# Altium PCB fNIRS_PCB.PcbDoc (part 3 of 3) (continued)
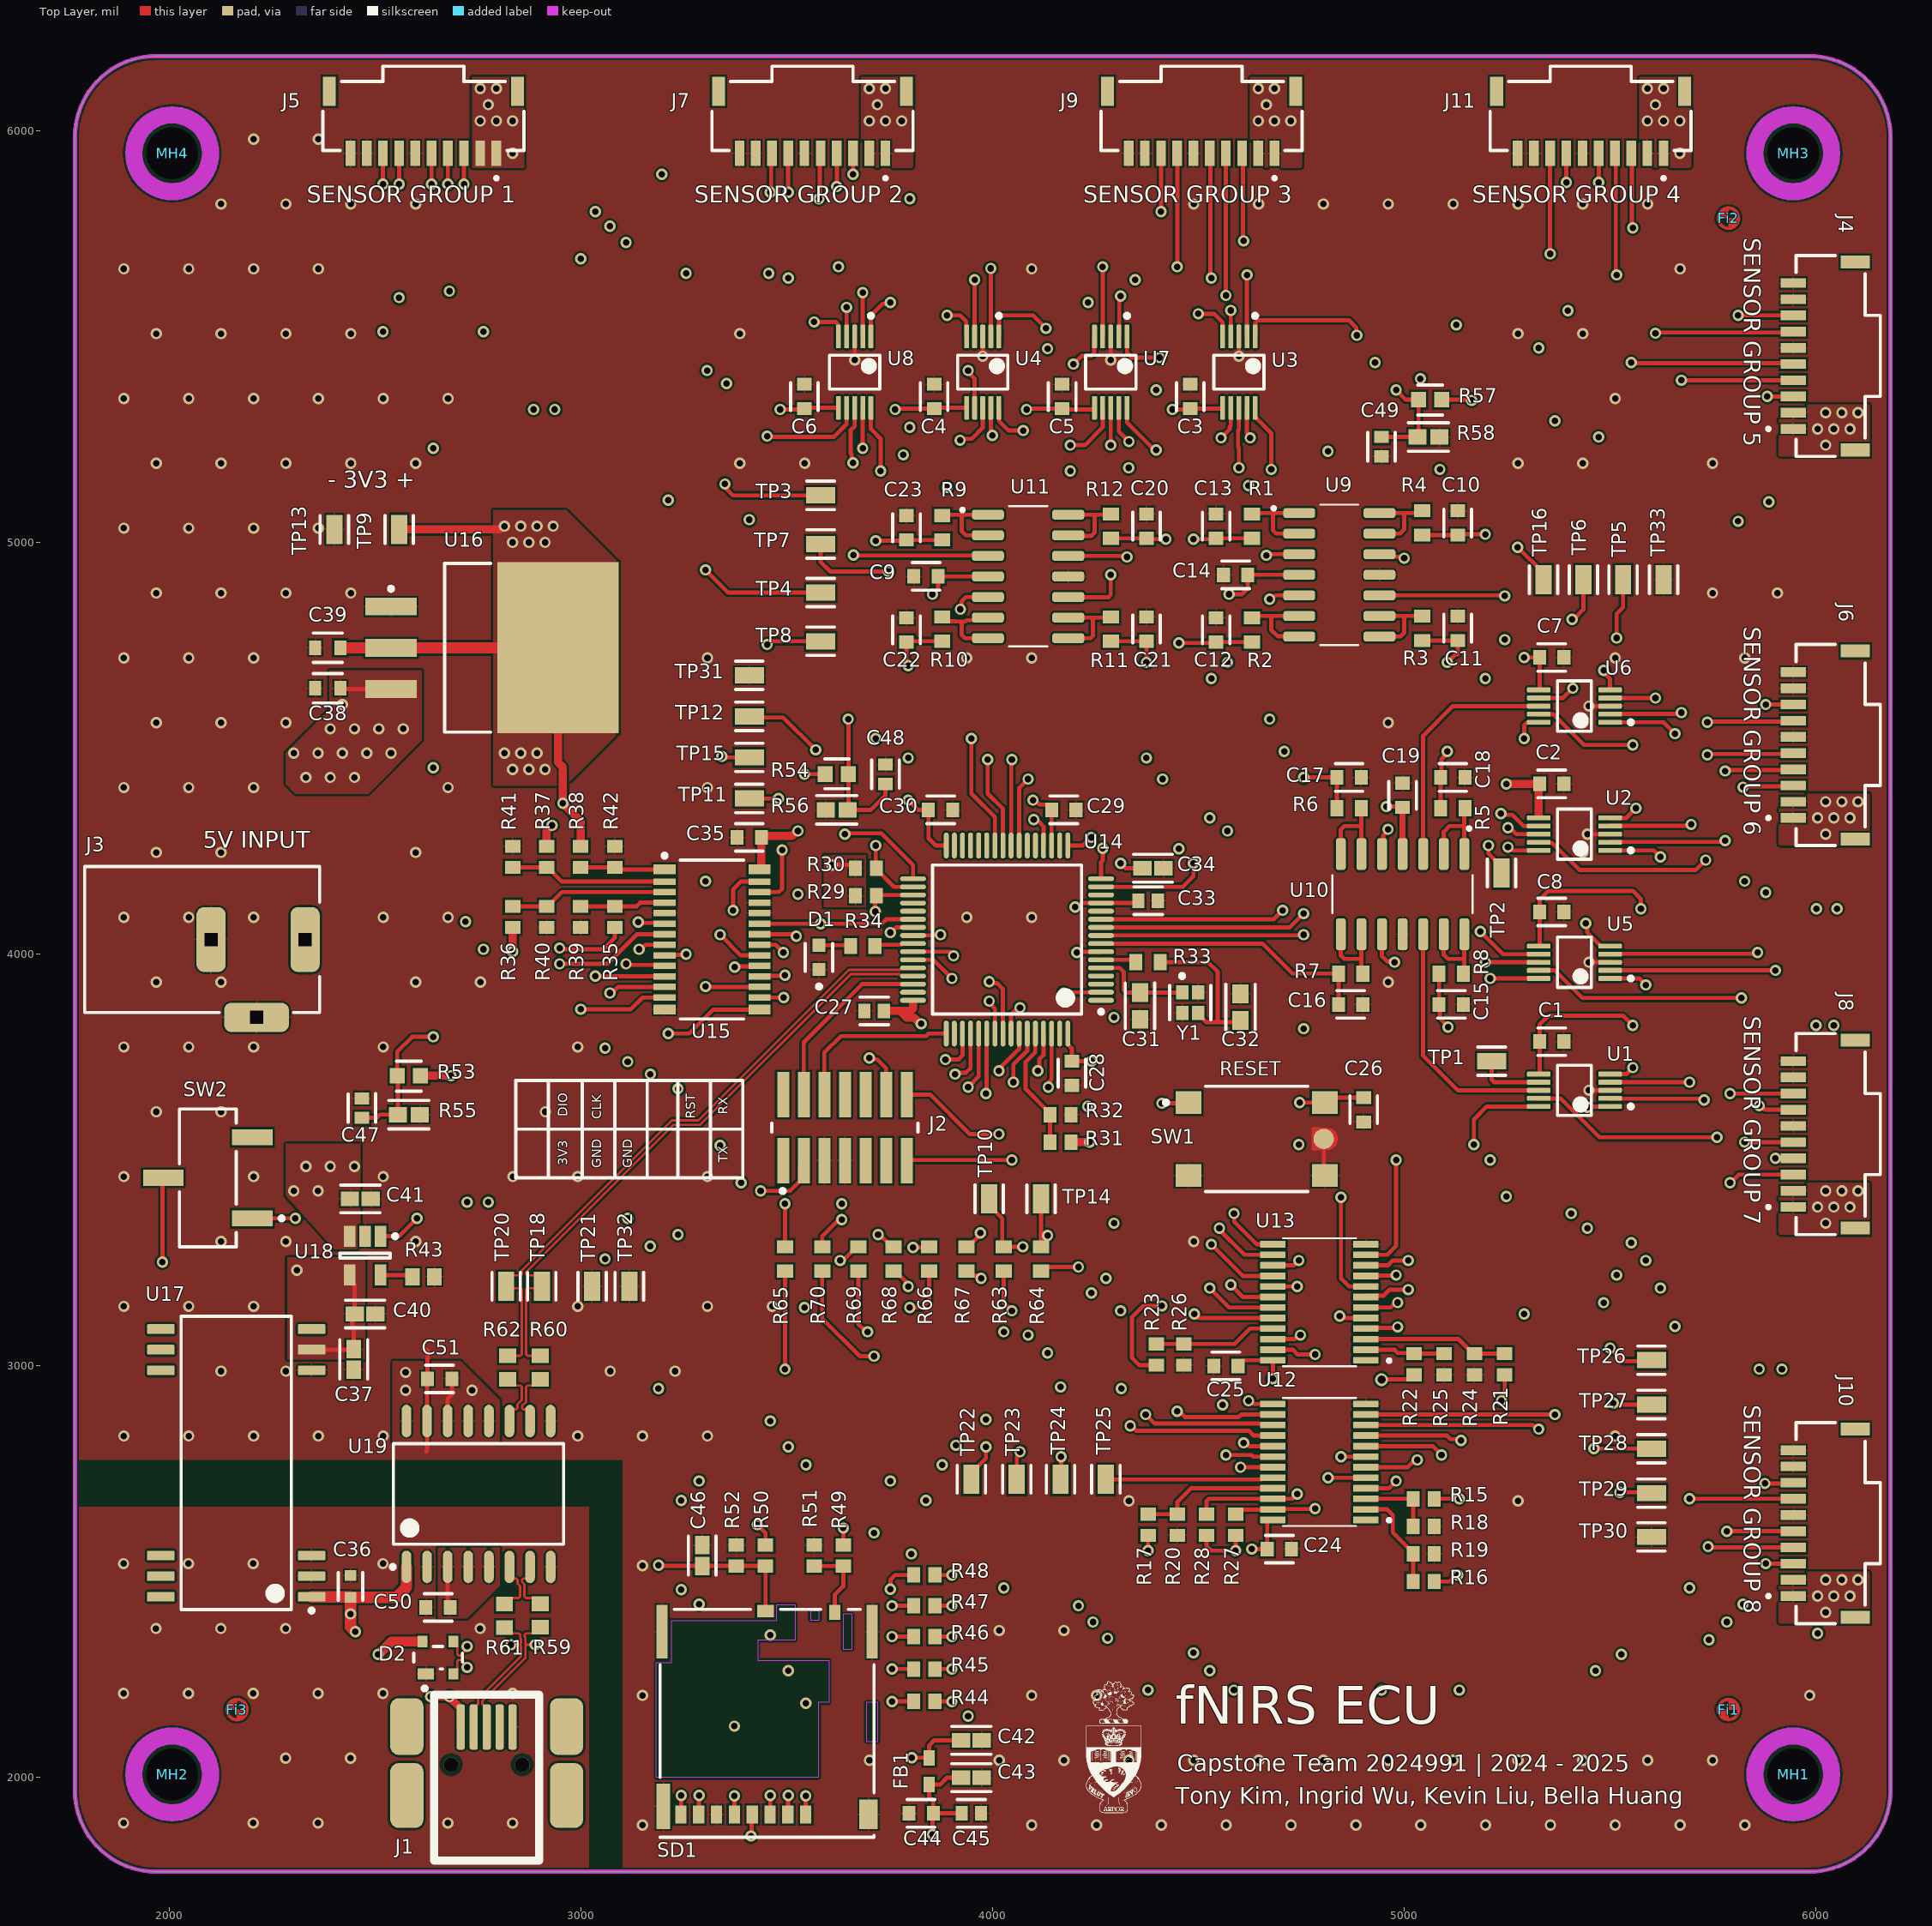
[diagram p0: Top Layer view]
## Nets (pads, with @x,y where several pads share a name; then routed paths per layer and width w, separated by ;. In a path a pad name is that pad's centre, name@x,y a point inside that pad or via, vN(x,y) a via of type N, cw(c..) or ccw(c..) an arc to the next point about the centre after c; other vN are vias at no path point) (continued)
NetR9_1: R9.1 U11.1 U11.2 | length 220.2
  Top Layer w10: R9.1@3877.95,5064.96 3880.31,5067.32 3925.2,5067.32 ; U11.2@3989.17,5017.32 3935.43,5017.32 3925.2,5027.56 3925.2,5067.32 ; U11.1@3989.17,5067.32 3925.2,5067.32
NetR10_1: R10.1 U11.6 U11.7 | length 219.4
  Top Layer w10: R10.1@3877.95,4818.9 3888.7,4808.15 3909.65,4808.15 3909.8,4807.99 3925.2,4807.99 ; U11.7@3989.17,4767.32 3933.46,4767.32 3925.2,4775.59 3925.2,4807.99 ; U11.6@3989.17,4817.32 3982.92,4811.07 3937.41,4811.07 3934.33,4807.99 3925.2,4807.99
NetR11_1: R11.1 U11.8 U11.9 | length 210.6
  Top Layer w10: U11.8@4184.06,4767.32 4238.24,4767.32 4244.09,4773.18 4244.09,4817.32 ; U11.9@4184.06,4817.32 4244.09,4817.32 ; R11.1@4287.4,4818.9 4285.83,4817.32 4244.09,4817.32
NetR12_1: R12.1 U11.13 U11.14 | length 215.6
  Top Layer w10: U11.13@4184.06,5017.32 4185.63,5015.75 4240.16,5015.75 4248.03,5023.62 4248.03,5067.32 ; U11.14@4184.06,5067.32 4248.03,5067.32 ; R12.1@4287.4,5068.9 4285.83,5067.32 4248.03,5067.32
NetR15_1: R15.1 R18.2 U12.3 | length 181.5
  Top Layer w10: U12.3@4907.09,2677.17 R15.1@5021.65,2677.17 R18.2@5021.65,2610.24
NetR16_1: R16.1 R19.2 U12.2 | length 252.9
  Top Layer w10: U12.2@4907.09,2651.57 4958.66,2651.57 4972.44,2637.8 4972.44,2595.47 5021.65,2546.26 R19.2@5021.65,2543.31 R16.1@5021.65,2476.38
NetR17_1: R17.1 R20.2 U12.21 | length 346.5
  Top Layer w10: R17.1@4377.95,2639.76 R20.2@4448.82,2639.76 4448.82,2669.29 4482.28,2702.76 U12.21@4681.1,2702.76
NetR21_1: R21.1 R24.2 U13.3 | length 351.7
  Top Layer w10: U13.3@4907.09,3064.96 5132.22,3064.96 5167.65,3029.53 R24.2@5170.6,3029.53 R21.1@5244.09,3029.53
NetR22_1: R22.1 R25.2 U13.2 | length 194.1
  Top Layer w10: U13.2@4907.09,3039.37 4976.38,3039.37 4984.25,3031.5 5021.65,3031.5 R22.1@5023.62,3029.53 R25.2@5097.11,3029.53
NetR23_1: R23.1 R26.2 U13.21 | length 299
  Top Layer w10: R23.1@4397.64,3053.15 R26.2@4464.57,3053.15 4588.58,3053.15 4625.98,3090.55 U13.21@4681.1,3090.55
NetR35_1: R35.1 R39.2 U15.4 | length 207.4
  Top Layer w10: R39.2@3000,4116.14 R35.1@3082.68,4116.14 3135.83,4116.14 3144.69,4125 U15.4@3203.74,4125
NetR36_1: R36.1 R40.2 U15.3 | length 383.4
  Top Layer w10: R36.1@2834.65,4116.14 R40.2@2917.32,4116.14 2920.28,4116.14 2954.72,4150.59 U15.3@3203.74,4150.59
NetR37_1: R37.1 R41.2 U15.2 | length 383.4
  Top Layer w10: R41.2@2834.65,4210.63 R37.1@2917.32,4210.63 2920.28,4210.63 2954.72,4176.18 U15.2@3203.74,4176.18
NetR38_1: R38.1 R42.2 U15.1 | length 205.8
  Top Layer w10: R38.1@3000,4210.63 R42.2@3082.68,4210.63 3087.6,4205.71 U15.1@3203.74,4205.71
NetR43_2: R43.2 U18.5 | length 79.4
  Top Layer w10: U18.5@2513.78,3220.47 2587.6,3220.47 R43.2@2591.54,3216.54
NetR49_1: R49.1 R51.2 SD1.10 | length 191.9
  Top Layer w10: R51.2@3566.93,2513.78 R49.1@3637.8,2513.78 3637.8,2464.57 3616.93,2443.7 SD1.10@3616.93,2401.38
NetSW2_1: SW2.1 U18.1 | length 506.1
  Top Layer w10: SW2.1@2202.76,3358.27 v1(2307.09,3358.27) ; U18.1@2513.78,3314.96 2559.06,3314.96 v1(2602.36,3358.27)
  Mid Layer 2 w10: v1(2307.09,3358.27) v1(2602.36,3358.27)
NRST: C26.1 J2.12 SW1.1 SW1.2 U14.7 | length 1912.5
  Top Layer w10: v1(3700.79,3748.03) 3704.15,3744.67 3719.9,3744.67 3741.65,3722.92 3741.65,3658.95 J2.12@3741.73,3658.86 ; v1(4204.72,4003.94) 4206.35,4005.56 4263.43,4005.56 U14.7@4263.78,4005.91 ; v1(4411.5,3637.8) 4474.31,3637.8 SW1.1@4476.18,3639.67 ; v1(4746.16,3639.67) SW1.2@4807.28,3639.67 4819.19,3651.57 C26.1@4901.57,3651.57
  Mid Layer 1 w10: v1(4204.72,4003.94) 4204.72,3656.6 v1(4231.27,3630.05)
  Mid Layer 2 w10: v1(3700.79,3748.03) 3700.79,3704.72 3773.7,3631.81 4229.52,3631.81 v1(4231.27,3630.05) ; v1@4228.35,3629.92 4228.48,3630.05 4399,3630.05 4406.74,3637.8 v1(4411.5,3637.8) 4412.43,3638.73 4745.23,3638.73 v1(4746.16,3639.67)
OSC_IN: C31.1 U14.5 Y1.1 | length 248.3
  Top Layer w10: U14.5@4263.78,3966.54 4309.06,3966.54 4318.9,3956.69 4318.9,3912.43 4324.76,3906.57 C31.1@4358.27,3906.57 4460.71,3906.57 Y1.1@4461.12,3906.99
OSC_OUT: R33.2 U14.6 | length 87.1
  Top Layer w10: U14.6@4263.78,3986.22 4342.52,3986.22 R33.2@4348.43,3980.32
PWM0: J5.03 U15.6 | length 2353.1
  Top Layer w10: v1(2716.54,5870.08) J5.03@2716.54,5944.88 ; v1(3139.68,4077.83) 3141.69,4075.83 3201.73,4075.83 U15.6@3203.74,4073.82
  Mid Layer 1 w10: v1(2716.54,5870.08) 2718.5,5868.11 2718.5,4080.71 v1(2720.47,4078.74)
  Mid Layer 2 w10: v1(2720.47,4078.74) 2720.93,4078.29 3139.23,4078.29 v1(3139.68,4077.83)
PWM1: J5.08 U15.7 | length 2661.6
  Top Layer w10: v1(2519.68,5870.08) J5.08@2519.68,5944.88 ; v1(2948.82,3976.38) 3064.43,3976.38 3136.28,4048.23 U15.7@3203.74,4048.23
  Mid Layer 1 w10: v1(2519.68,5511.81) v1(2519.68,5870.08) ; v1(2763.78,4011.81) v1(2763.78,5511.81)
  Mid Layer 2 w10: v1(2519.68,5511.81) v1(2763.78,5511.81) ; v1(2763.78,4011.81) 2799.21,3976.38 v1(2948.82,3976.38)
PWM2: J7.03 U15.8 | length 2487
  Top Layer w10: v1(3141.73,4011.81) 3146.48,4011.81 3157.31,4022.64 U15.8@3203.74,4022.64 ; v1(3661.42,5893.7) J7.03@3661.42,5944.88
  Mid Layer 1 w10: v1(3141.73,4011.81) 3169.29,4039.37 3169.29,5866.14 v1(3196.85,5893.7)
  Mid Layer 2 w10: v1(3196.85,5893.7) v1(3661.42,5893.7)
PWM3: J7.08 U15.9 | length 2202.3
  Top Layer w10: U15.9@3203.74,3997.05 3205.22,3998.52 3254.43,3998.52 v1(3255.91,4000) ; v1(3460.63,5850.39) 3462.6,5852.36 3462.6,5942.91 J7.08@3464.57,5944.88
  Mid Layer 1 w10: v1(3255.91,4000) v1(3255.91,5653.54) ; v1(3456.69,5653.54) 3458.66,5655.51 3458.66,5848.43 v1(3460.63,5850.39)
  Mid Layer 2 w10: v1(3255.91,5653.54) v1(3456.69,5653.54)
PWM4: J9.03 U15.10 | length 3563.5
  Top Layer w10: v1(3110.24,3976.38) 3112.7,3973.92 3201.28,3973.92 U15.10@3203.74,3971.46 ; J9.03@4606.3,5944.88 4608.27,5942.91 4608.27,5734.25 v1(4610.24,5732.28)
  Mid Layer 1 w10: v1(3110.24,3976.38) 3110.24,4065.41 3110.08,4065.57 3110.08,4892.82 3110.24,4892.98 v1(3110.24,5728.35)
  Mid Layer 2 w10: v1(3110.24,5728.35) 3113.6,5731.71 3124.3,5731.71 3124.87,5732.28 v1(4610.24,5732.28)
PWM5: J9.08 U15.11 | length 3540.8
  Top Layer w10: v1(3035.43,3946.77) 3035.89,3946.32 3203.29,3946.32 U15.11@3203.74,3945.87 ; v1(4409.45,5803.15) J9.08@4409.45,5944.88
  Mid Layer 1 w10: v1(3035.43,3946.77) v1(3035.43,5803.15)
  Mid Layer 2 w10: v1(3035.43,5803.15) v1(4409.45,5803.15)
PWM6: J11.03 U15.12 | length 4669.8
  Top Layer w10: v1(3070.87,3905.51) 3075.62,3905.51 3089.98,3919.87 3112.15,3919.87 3112.55,3920.28 U15.12@3203.74,3920.28 ; J11.03@5551.18,5944.88 5553.15,5942.91 5553.15,5765.75 v1(5555.12,5763.78)
  Mid Layer 1 w10: v1(3070.87,3905.51) v1(3070.87,5767.72)
  Mid Layer 2 w10: v1(3070.87,5767.72) 3072.83,5765.75 5553.15,5765.75 v1(5555.12,5763.78)
PWM7: J11.08 U15.13 | length 4641.7
  Top Layer w10: v1(3000,3866.14) 3122.05,3866.14 3150.59,3894.68 U15.13@3203.74,3894.68 ; v1(5354.33,5700.79) J11.08@5354.33,5944.88
  Mid Layer 1 w10: v1(3000,3866.14) v1(3000,5688.98)
  Mid Layer 2 w10: v1(3000,5688.98) 3397.64,5688.98 3409.45,5700.79 v1(5354.33,5700.79)
PWM8: J4.03 U15.15 | length 4536.2
  Top Layer w10: v1(3212.6,3807.09) 3263.78,3807.09 3321.85,3865.16 U15.15@3434.06,3865.16 ; v1(5881.89,5354.33) J4.03@5944.88,5354.33
  Mid Layer 1 w10: v1(3212.6,3807.09) v1(3212.6,5102.36) ; v1(5881.89,5354.33) 5883.86,5352.36 5883.86,5100.39 v1(5885.83,5098.43)
  Mid Layer 2 w10: v1(3212.6,5102.36) 3214.57,5100.39 5883.86,5100.39 v1(5885.83,5098.43)
PWM9: J4.08 U15.16 | length 4291.2
  Top Layer w10: U15.16@3434.06,3894.68 v1(3493.11,3894.68) ; v1(5811.02,5551.18) J4.08@5944.88,5551.18
  Mid Layer 1 w10: v1(3409.45,5055.12) 3409.45,3978.35 v1(3493.11,3894.68) ; v1(5811.02,5051.18) v1(5811.02,5551.18)
  Mid Layer 2 w10: v1(3409.45,5055.12) 3411.42,5053.15 5809.06,5053.15 v1(5811.02,5051.18)
PWM10: J6.03 U15.17 | length 3264.5
  Top Layer w10: v1(3303.15,3921.26) 3304.13,3920.28 U15.17@3434.06,3920.28 ; v1(5822.83,4405.51) 5824.8,4407.48 5942.91,4407.48 J6.03@5944.88,4409.45
  Mid Layer 1 w10: v1(3303.15,3921.26) v1(3303.15,4177.17) ; v1(5822.83,4405.51) 5824.8,4403.54 5824.8,4179.21 v1(5826.77,4177.24)
  Mid Layer 2 w10: v1(3303.15,4177.17) 3303.19,4177.2 5826.73,4177.2 v1(5826.77,4177.24)
PWM11: J6.08 U15.18 | length 3213.3
  Top Layer w10: U15.18@3434.06,3945.87 3435.53,3947.34 3494.59,3947.34 v1(3496.06,3948.82) ; v1(5877.95,4606.3) J6.08@5944.88,4606.3
  Mid Layer 1 w10: v1(3496.06,3948.82) 3448.82,3996.06 3448.82,4110.24 3484.25,4145.67 v1(3527.56,4145.67) ; v1(5877.95,4149.61) v1(5877.95,4606.3)
  Mid Layer 2 w10: v1(3527.56,4145.67) 3529.53,4147.64 5875.98,4147.64 v1(5877.95,4149.61)
PWM12: J8.03 U15.19 | length 3162.9
  Top Layer w10: v1(3374.02,3968.5) 3375.49,3969.98 3432.58,3969.98 U15.19@3434.06,3971.46 ; v1(5791.34,3444.88) 5792.67,3444.88 5812.35,3464.57 J8.03@5944.88,3464.57
  Mid Layer 1 w10: v1(3374.02,3968.5) 3374.02,3708.66 3389.76,3692.91 v1(3389.76,3444.88)
  Mid Layer 2 w10: v1(3389.76,3444.88) 3394.48,3444.88 3404.4,3454.8 5776.67,3454.8 5786.59,3444.88 v1(5791.34,3444.88)
PWM13: J8.08 U15.20 | length 3305
  Top Layer w10: v1(3338.58,4047.24) 3388.78,3997.05 U15.20@3434.06,3997.05 ; v1(5791.34,3661.42) J8.08@5944.88,3661.42
  Mid Layer 1 w10: v1(3338.58,3535.43) v1(3338.58,4047.24)
  Mid Layer 2 w10: v1(3338.58,3535.43) 3401.57,3598.43 5759.84,3598.43 5791.34,3629.92 v1(5791.34,3661.42)
PWM14: J10.03 R66.1 U15.21 | length 4089.6
  Top Layer w10: U15.21@3434.06,4022.64 3473.43,4022.64 v1(3492.13,4003.94) ; v1(3799.21,3141.73) 3829.01,3141.73 3846.46,3159.18 R66.1@3846.46,3230.31 ; v1(5877.95,2519.68) J10.03@5944.88,2519.68
  Mid Layer 1 w10: v1(3492.13,4003.94) 3552.13,3943.94 3552.13,3155.3 3543.31,3146.48 v1(3543.31,3141.73) ; v1(3799.21,3141.73) 3801.18,3139.76 3801.18,2545.28 v1(3803.15,2543.31)
  Mid Layer 2 w10: v1(3543.31,3141.73) v1(3799.21,3141.73) ; v1(3803.15,2543.31) 3803.33,2543.31 3824.9,2521.73 5875.91,2521.73 v1(5877.95,2519.68)
PWM15: J10.08 R70.1 U15.22 | length 4203.8
  Top Layer w10: U15.22@3434.06,4048.23 3518.7,4048.23 v1(3523.62,4043.31) ; R70.1@3586.61,3230.31 3586.61,3114.99 3677.98,3023.62 v1(3712.6,3023.62) ; v1(5875.98,2714.57) 5942.91,2714.57 J10.08@5944.88,2716.54
  Mid Layer 1 w10: v1(3523.62,4043.31) 3586.61,3980.31 3586.61,3110.24 3673.23,3023.62 v1(3712.6,3023.62) v1(3712.6,2594.49)
  Mid Layer 2 w10: v1(3712.6,2594.49) 5681.1,2594.49 5801.18,2714.57 v1(5875.98,2714.57)
PWM_CTRL_EN1: TP12.1 U14.38 U15.23 | length 997.7
  Top Layer w10: TP12.1@3409.45,4574.8 3492.13,4574.8 v1(3570.87,4496.06) ; U15.23@3434.06,4073.82 v1(3582.68,4073.82) ; v1@3583.66,4073.82 3731.34,4073.82 3742.17,4084.65 U14.38@3807.09,4084.65
  Mid Layer 1 w10: v1(3570.87,4496.06) 3570.87,4491.31 3580.63,4481.55 3580.63,4075.87 v1(3582.68,4073.82)
SDMMC1_CK: SD1.5 U14.53 | length 2462.7
  Top Layer w10: SD1.5@3373.23,1910.63 v1(3373.23,1955.91) v1@3374.02,1956.69 ; v1(3940.94,3677.17) 3966.54,3702.76 U14.53@3966.54,3807.09
  Mid Layer 1 w10: v1(3373.23,1955.91) v1(3373.23,2125.2) v1@3374.02,2125.98 ; v1(3940.94,2149.61) v1(3940.94,3677.17)
  Mid Layer 2 w10: v1(3373.23,2125.2) 3397.64,2149.61 v1(3940.94,2149.61)
SDMMC1_CMD: R46.1 SD1.3 U14.54 | length 2787
  Top Layer w10: SD1.3@3459.84,1910.63 3460.24,1911.02 3460.24,1956.3 v1(3460.63,1956.69) ; v1(3755.91,2342.52) R46.1@3809.05,2342.52 ; v1(3984.25,3661.42) 3985.87,3663.04 3985.87,3806.74 U14.54@3986.22,3807.09
  Mid Layer 1 w10: v1(3460.63,1956.69) v1(3460.63,2866.14) ; v1(3984.25,2870.08) 3984.25,3141.73 4005.98,3163.46 4005.98,3446.77 3984.25,3468.5 v1(3984.25,3661.42)
  Mid Layer 2 w10: v1(3460.63,2346.46) 3462.6,2344.49 3753.94,2344.49 v1(3755.91,2342.52) ; v1(3460.63,2866.14) 3462.6,2868.11 3982.28,2868.11 v1(3984.25,2870.08)
SDMMC1_D0: R47.1 SD1.7 U14.39 | length 3190.5
  Top Layer w10: SD1.7@3286.61,1910.63 3287.01,1911.02 3287.01,1956.3 v1(3287.4,1956.69) ; v1(3751.84,4052.45) 3753.87,4052.45 3766.03,4064.61 3806.74,4064.61 U14.39@3807.09,4064.96 ; v1(3755.91,2417.32) R47.1@3809.05,2417.32
  Mid Layer 1 w10: v1(3287.4,1956.69) v1(3287.4,2720.47) ; v1(3751.84,4052.45) 3751.84,3754.6 3751.97,3754.47 v1(3751.97,2720.47)
  Mid Layer 2 w10: v1(3287.4,2421.26) 3289.37,2419.29 3753.94,2419.29 v1(3755.91,2417.32) ; v1(3287.4,2720.47) v1(3751.97,2720.47)
SDMMC1_D1: R48.1 SD1.8 U14.40 | length 3407.6
  Top Layer w10: SD1.8@3243.31,1910.63 3243.7,1911.02 3243.7,1956.3 v1(3244.09,1956.69) ; v1(3751.97,2457.68) 3752.48,2458.18 3752.48,2480.82 3763.78,2492.13 R48.1@3809.05,2492.13 ; U14.40@3807.09,4045.28 3807.43,4045.62 3872.39,4045.62 v1(3874.02,4047.24)
  Mid Layer 1 w10: v1(3244.09,1956.69) v1(3244.09,2456.69) v1(3244.09,2673.23) ; v1(3838.58,2673.23) 3838.58,3755.91 3866.14,3783.46 3866.14,4034.62 3874.02,4042.49 v1(3874.02,4047.24)
  Mid Layer 2 w10: v1(3244.09,2456.69) 3246.06,2458.66 3750.98,2458.66 v1(3751.97,2457.68) ; v1(3244.09,2673.23) v1(3838.58,2673.23)
SDMMC1_D2: R44.1 SD1.1 U14.51 | length 2534.7
  Top Layer w10: SD1.1@3546.46,1910.63 v1(3546.46,1955.91) v1@3547.24,1956.69 ; v1(3755.91,2185.04) R44.1@3809.05,2185.04 ; v1(3885.83,3744.09) 3917.32,3744.09 3927.17,3753.94 U14.51@3927.17,3807.09
  Mid Layer 1 w10: v1(3546.46,1955.91) 3546.46,2180.31 3547.05,2180.91 3547.05,2759.65 v1(3547.24,2759.84) ; v1(3877.95,2759.84) 3874.59,2763.2 3874.59,2773.9 3874.02,2774.48 3874.02,3729.46 3885.83,3741.27 v1(3885.83,3744.09)
  Mid Layer 2 w10: v1(3546.85,2180.71) 3549.02,2182.87 3753.74,2182.87 v1(3755.91,2185.04) ; v1(3547.24,2759.84) v1(3877.95,2759.84)
SDMMC1_D3: R45.1 SD1.2 U14.52 | length 2626.8
  Top Layer w10: SD1.2@3503.15,1910.63 3503.54,1911.02 3503.54,1956.3 v1(3503.94,1956.69) ; v1(3755.91,2263.78) R45.1@3809.05,2263.78 ; v1(3909.45,3708.66) 3912.81,3712.02 3935.62,3712.02 3946.85,3723.26 U14.52@3946.85,3807.09
  Mid Layer 1 w10: v1(3503.94,1956.69) v1(3503.94,2803.15) ; v1@3909.45,2817.79 v1(3909.45,3708.66)
  Mid Layer 2 w10: v1(3503.94,2259.84) 3505.91,2261.81 3753.94,2261.81 v1(3755.91,2263.78) ; v1(3503.94,2803.15) 3505.91,2805.12 3909.37,2805.12 v1(3911.34,2807.09)
SPI1_CLK: R68.2 U14.55 | length 1818.6
  Top Layer w10: v1(3722.36,3318.9) 3726.38,3318.9 3755.91,3289.37 R68.2@3759.84,3289.37 ; v1(3992.13,3885.83) 3992.13,3881.08 4005.91,3867.3 U14.55@4005.91,3807.09
  Mid Layer 1 w10: v1(3236.22,3318.9) v1(3236.22,3673.23)
  Mid Layer 2 w10: v1(3236.22,3318.9) v1(3722.36,3318.9) ; v1(3236.22,3673.23) 3539.37,3673.23 3645.67,3779.53 3885.83,3779.53 v1(3992.13,3885.83)
SPI1_CS1: R69.2 U14.42 | length 2187.2
  Top Layer w10: v1(3629.92,3255.91) 3633.28,3259.27 3640.17,3259.27 3670.28,3289.37 R69.2@3674.21,3289.37 ; U14.42@3807.09,4005.91 3895.67,4005.91 v1(3905.51,3996.06)
  Mid Layer 1 w10: v1(3059.06,3259.84) v1(3059.06,3771.65)
  Mid Layer 2 w10: v1(3059.06,3259.84) 3061.02,3257.87 3627.95,3257.87 v1(3629.92,3255.91) ; v1(3059.06,3771.65) 3062.41,3768.29 3496.64,3768.29 3586.61,3858.27 3767.72,3858.27 v1(3905.51,3996.06)
SPI1_CS2: R70.2 U14.43 | length 1963.7
  Top Layer w10: R70.2@3586.61,3289.37 3586.61,3314.96 v1@3623.61,3351.96 ; U14.43@3807.09,3986.22 3856.3,3986.22 v1(3901.57,3940.94)
  Mid Layer 1 w10: v1(3114.17,3358.27) v1(3114.17,3738.69)
  Mid Layer 2 w10: v1(3114.17,3358.27) 3117.13,3355.31 v1(3633.86,3355.31) ; v1(3114.17,3738.69) 3114.58,3739.09 3514.68,3739.09 3606.3,3830.71 3784.9,3830.71 3838.34,3884.15 3844.78,3884.15 v1(3901.57,3940.94)
SPI1_MISO: R66.2 U14.56 | length 2162.9
  Top Layer w10: v1(3807.09,3287.4) 3844.49,3287.4 R66.2@3846.46,3289.37 ; v1(3992.13,3933.07) 3995.49,3929.71 4011.23,3929.71 4025.24,3915.7 4025.24,3807.43 U14.56@4025.59,3807.09
  Mid Layer 1 w10: v1(3168.71,3290.76) 3168.71,3301.46 3169.29,3302.04 v1(3169.29,3708.66)
  Mid Layer 2 w10: v1(3168.71,3290.76) 3170.39,3289.08 3805.41,3289.08 v1(3807.09,3287.4) ; v1(3169.29,3708.66) 3531.5,3708.66 3623.94,3801.1 3860.16,3801.1 v1(3992.13,3933.07)
SPI1_MOSI: R67.2 U14.57 | length 1197.3
  Top Layer w10: R67.2@3937.01,3289.37 3940.94,3289.37 3970.55,3318.98 v1(3970.55,3322.83) ; U14.57@4045.28,3807.09 4045.28,3853.58 4058.41,3866.72 4063.57,3866.72 v1(4066.93,3870.08)
  Mid Layer 1 w10: v1(4295.28,3346.46) v1(4295.28,3846.46)
  Mid Layer 2 w10: v1(3970.55,3322.83) 3972.44,3322.83 3996.06,3346.46 v1(4295.28,3346.46) ; v1(4066.93,3870.08) 4090.55,3846.46 v1(4295.28,3846.46)
SWCLK: J2.6 U14.49 | length 417.3
  Top Layer w10: J2.6@3591.73,3658.86 3591.73,3761.02 3631.81,3801.1 3839.03,3801.1 3845.02,3807.09 U14.49@3887.8,3807.09
SWDIO: J2.4 U14.46 | length 450.9
  Top Layer w10: J2.4@3541.73,3658.86 3541.73,3785.83 3683.07,3927.17 U14.46@3807.09,3927.17
UD_N: R61.2 U19.6 | length 133.2
  Top Layer w5.53: R61.2@2814.96,2421.26 2829.91,2436.21 2849.56,2436.21 2852.8,2439.45 2852.8,2465.11 2846.71,2471.2 2846.71,2480.14 2843.47,2483.38 2835.33,2483.38 2826.97,2491.74 U19.6@2826.97,2511.81
UD_P: R59.2 U19.7 | length 133.2
  Top Layer w5.53: U19.7@2876.97,2511.81 2876.97,2491.74 2868.61,2483.38 2860.47,2483.38 2857.23,2480.14 2857.23,2475.56 2863.33,2469.47 2863.33,2439.45 2866.56,2436.21 2887.61,2436.21 R59.2@2901.57,2422.24
USART1_RX: J2.13 U14.59 | length 578.7
  Top Layer w10: J2.13@3791.73,3498.62 3793.11,3500 v1(4047.24,3500) ; v1(4051.02,3688.98) 4051.02,3732.13 4084.65,3765.75 U14.59@4084.65,3807.09
  Mid Layer 1 w10: v1(4047.24,3500) 4047.24,3680.45 4051.02,3684.22 v1(4051.02,3688.98)
USART1_TX: J2.14 U14.58 | length 528.2
  Top Layer w10: J2.14@3791.73,3658.86 3849.02,3658.86 3944.88,3562.99 v1(4015.75,3562.99) ; v1(4015.75,3716.54) 4015.75,3720.47 4064.61,3769.34 4064.61,3806.74 U14.58@4064.96,3807.09
  Mid Layer 1 w10: v1(4015.75,3562.99) v1(4015.75,3716.54)
USB_D_N: D2.2 J1.2 R61.1 | length 624
  Top Layer w5.53: D2.2@2690.94,2251.97 2699.99,2261.02 2699.99,2282.84 2703.23,2286.08 2709.78,2286.08 2724.41,2271.44 v1(2724.41,2267.72) ; J1.2@2740.16,2123.03 2740.16,2168.14 2750.64,2178.62 2750.64,2190.7 2854.97,2295.03 2854.97,2319.6 2851.74,2322.83 ; R61.1@2814.96,2364.17 2828.93,2350.2 2849.97,2350.2 2853.21,2346.97 2853.21,2338.03 2854.97,2336.26 2854.97,2326.07 2851.74,2322.83 ; v1(2830.71,2322.83) 2851.74,2322.83
  Mid Layer 1 w3.94: v1(2724.41,2267.72) 2724.41,2286.53 2726.72,2288.84 2755.88,2288.84 2809.57,2342.53 2848.6,2342.53 2855.77,2335.36 2855.77,2325.14 2853.46,2322.83 v1(2830.71,2322.83)
USB_D_P: D2.3 J1.3 R59.1 | length 641.6
  Top Layer w5.53: D2.3@2690.94,2330.71 2699.99,2321.66 2699.99,2299.84 2703.23,2296.6 2707.81,2296.6 2724.41,2313.2 v1(2724.41,2318.9) ; J1.3@2771.65,2123.03 2771.65,2168.14 2761.17,2178.62 2761.17,2186.34 2865.5,2290.68 2865.5,2319.6 2868.74,2322.83 ; v1(2889.76,2322.83) 2868.74,2322.83 ; R59.1@2901.57,2365.16 2886.62,2350.2 2866.97,2350.2 2863.73,2346.97 2863.73,2342.39 2865.5,2340.62 2865.5,2326.07 2868.74,2322.83
  Mid Layer 1 w3.94: v1(2724.41,2318.9) 2724.41,2300.09 2726.72,2297.78 2752.17,2297.78 2805.86,2351.47 2852.31,2351.47 2864.71,2339.07 2864.71,2325.14 2867.01,2322.83 v1(2889.76,2322.83)
USB_GND: C36.2 C50.2 D2.1 J1.5 U17.2 U17.3 U19.2 U19.8
  other v1: 1889.76,1889.76 2204.72,1889.76 2362.2,1889.76 2677.17,1889.76 2834.65,1889.76 2283.46,2047.24 2440.94,2047.24 1889.76,2204.72 2047.24,2204.72 2204.72,2204.72 2362.2,2204.72 2519.68,2204.72 2834.65,2204.72 1968.5,2362.2 2125.98,2362.2 2283.46,2362.2 2755.91,2362.2 1889.76,2519.68 2047.24,2519.68 2204.72,2519.68 2519.68,2519.68
USB_OTG_FS_D_N: R62.2 TP20.1 U14.44 | length 1554
  Top Layer w5.53: R62.2@2822.83,3024.61 2853.7,3024.61 2856.94,3027.84 2856.94,3185.74 2853.7,3188.98 2822.83,3188.98 TP20.1@2818.9,3192.91 2818.9,3202.72 2835.82,3219.64 2853.7,3219.64 2856.94,3222.87 2856.94,3231.81 3221.38,3596.25 3286.08,3596.25 3651.79,3961.96 3775.22,3961.96 3779.8,3966.54 U14.44@3807.09,3966.54
USB_OTG_FS_D_P: R60.2 TP18.1 U14.45 | length 1536.5
  Top Layer w5.53: R60.2@2901.57,3024.61 2870.7,3024.61 2867.47,3027.84 2867.47,3185.74 2870.7,3188.98 2901.57,3188.98 TP18.1@2905.51,3192.91 2905.51,3202.72 2888.59,3219.64 2870.7,3219.64 2867.47,3222.87 2867.47,3227.45 3225.74,3585.72 3290.44,3585.72 3656.15,3951.43 3775.22,3951.43 3779.8,3946.85 U14.45@3807.09,3946.85
VBATT: C38.1 C41.1 J3.1 U16.3 U18.3 | length 123.7
  Top Layer w10: C38.1@2416.34,4645.67 2417.91,4644.09 U16.3@2539.37,4644.09
  other v1: 2303.15,3425.2 2362.2,3425.2 2332.68,3484.25 2391.73,3484.25 2450.79,3484.25 2332.68,4429.13 2391.73,4429.13 2450.79,4429.13 2303.15,4488.19 2362.2,4488.19 2421.26,4488.19 2480.31,4488.19 2539.37,4488.19 2391.73,4547.24 2450.79,4547.24 2509.84,4547.24 2568.9,4547.24 2421.26,4606.3
VDD1: C50.1 U19.3 U19.4 U19.5 | length 101
  Top Layer w10: U19.3@2676.97,2511.81 2676.97,2419.49 C50.1@2683.07,2413.39
pads on no net: J1.4 J1.6 J1.7 J1.8 J1.9 J1.X J1.Y J2.1 J2.2 J2.8 J2.9 J2.10 J2.11 J4.S1 J4.S2 J5.S1 J5.S2 J6.S1 J6.S2 J7.S1 J7.S2 J8.S1 J8.S2 J9.S1 J9.S2 J10.S1 J10.S2 J11.S1 J11.S2 MH1. MH2. MH3. MH4. SW2.3 U12.1 U13.1 U14.1 U14.3 U14.4 U14.28 U14.29 U14.30 U14.36 U14.37 U14.50 U17.14 U17.15 U17.16 U17.17 U17.26 U17.27 U17.28

## Polygon pours and split planes (outlines as drawn)
USB_GND on Top Layer "USB_GND_L01_P004" (solid, pour order 4): 1775.59,2657.48 3019.68,2657.48 3019.68,1775.59 1775.59,1775.59
MCU_GND on Top Layer "MCU_GND_L01_P049" (solid, pour order 49): 1775.59,2771.65 3102.36,2771.65 3102.36,1771.65 6181.1,1771.65 6181.1,6181.1 1771.65,6181.1
3V3 on Top Layer "3V3_L01_P003" (solid, pour order 3): 2543.31,3011.81 2543.31,2814.96 2803.15,2814.96 2803.15,2917.32 2708.66,3011.81
VBATT on Top Layer "VBATT_L01_P048" (solid, pour order 48): 2283.46,3413.39 2283.46,3539.37 2464.57,3539.37 2464.57,3283.46 2401.57,3283.46
VBATT on Top Layer "VBATT_L01_P047" (solid, pour order 47): 2389.76,4688.98 2389.76,4594.49 2283.46,4488.19 2283.46,4413.39 2307.09,4389.76 2484.25,4389.76 2614.17,4519.69 2614.17,4688.98
3V3 on Top Layer "3V3_L01_P045" (solid, pour order 45): 2787.4,4952.76 2787.4,4535.43 3085.32,4535.43 3090.55,4540.66 3090.55,4952.76
3V3 on Top Layer "3V3_L01_P044" (solid, pour order 44): 2787.4,4535.43 2787.4,4409.45 2964.57,4409.45 3090.55,4535.43
3V3 on Top Layer "3V3_L01_P043" (solid, pour order 43): 2787.4,4952.76 2787.4,5078.74 2964.57,5078.74 3090.55,4952.76
3V3 on Top Layer "3V3_L01_P023" (solid, pour order 23): 5909.45,2500 5909.45,2374.02 6129.92,2374.02 6129.92,2500
3V3 on Top Layer "3V3_L01_P022" (solid, pour order 22): 5909.45,3444.88 5909.45,3318.9 6129.92,3318.9 6129.92,3444.88
3V3 on Top Layer "3V3_L01_P021" (solid, pour order 21): 5909.45,4389.76 5909.45,4263.78 6129.92,4263.78 6129.92,4389.76
3V3 on Top Layer "3V3_L01_P020" (solid, pour order 20): 5909.45,5334.65 5909.45,5208.66 6129.92,5208.66 6129.92,5334.65
3V3 on Top Layer "3V3_L01_P019" (solid, pour order 19): 5570.87,5909.45 5696.85,5909.45 5696.85,6129.92 5570.87,6129.92
3V3 on Top Layer "3V3_L01_P018" (solid, pour order 18): 4625.98,5909.45 4751.97,5909.45 4751.97,6129.92 4625.98,6129.92
3V3 on Top Layer "3V3_L01_P017" (solid, pour order 17): 3681.1,5909.45 3807.09,5909.45 3807.09,6129.92 3681.1,6129.92
3V3 on Top Layer "3V3_L01_P016" (solid, pour order 16): 3590.55,4240.16 3590.55,4114.17 3692.91,4114.17 3692.91,4240.16
3V3 on Top Layer "3V3_L01_P008" (solid, pour order 8): 2736.22,5909.45 2862.2,5909.45 2862.2,6129.92 2736.22,6129.92
VDD1 on Top Layer "VDD1_L01_P000" (solid, pour order 0): 2653.54,2562.99 2653.54,2386.82 2724.41,2386.82 2803.15,2465.56 2803.15,2562.99
5V_ISO on Top Layer "5V_ISO_L01_P006" (solid, pour order 6): 2287.4,3015.75 2476.38,3015.75 2476.38,3263.78 2287.4,3263.78
3V3 on Mid Layer 1 "3V3_L02_P037" (solid, pour order 37): 5503.94,5984.25 5976.38,5511.81 6173.23,5511.81 6173.23,5984.25
3V3 on Mid Layer 1 "3V3_L02_P025" (solid, pour order 25): 2786.19,6181.1 2736.22,6129.55 2736.22,5977.75 6173.23,5973.79 6173.23,6181.1
VBATT on Mid Layer 1 "VBATT_L02_P046" (solid, pour order 46): 2480.32,4688.98 2614.17,4688.98 2614.17,4519.69 2480.32,4385.83
VBATT on Mid Layer 1 "VBATT_L02_P005" (solid, pour order 5): 2404.56,3283.46 2283.46,3413.53 2283.46,4488.19 2389.76,4594.49 2389.76,4688.98 2484.25,4688.98 2484.25,3283.46
3V3 on Mid Layer 1 "3V3_L02_P042" (solid, pour order 42): 2665.35,2917.32 2543.31,2917.32 2543.31,3023.62 2665.35,3145.67
3V3 on Mid Layer 1 "3V3_L02_P038" (solid, pour order 38): 5976.38,5511.81 5976.39,2326.77 6181.11,2326.77 6181.1,5511.81
3V3 on Mid Layer 1 "3V3_L02_P036" (solid, pour order 36): 2795.28,4000 2795.28,3905.51 2661.42,3771.65 2661.42,3720.47 2803.15,3720.47 2964.57,3881.89 2964.57,4000
3V3 on Mid Layer 1 "3V3_L02_P033" (solid, pour order 33): 2823.47,5982.39 2736.22,5982.35 2736.22,5767.72 2822.75,5681.19
3V3 on Mid Layer 1 "3V3_L02_P034" (solid, pour order 34): 2948.82,5822.83 3110.24,5984.25 2948.82,5984.25
3V3 on Mid Layer 1 "3V3_L02_P032" (solid, pour order 32): 2795.28,5988.19 2795.28,4000 2964.57,4000 2964.57,5988.19
3V3 on Mid Layer 1 "3V3_L02_P030" (solid, pour order 30): 2661.42,3720.47 2661.42,2917.32 2803.15,2917.32 2803.15,3720.47
MCU_GND on Bottom Layer "MCU_GND_L04_P050" (solid, pour order 50): 1775.59,2771.65 3102.36,2771.65 3102.36,1771.65 6181.1,1771.65 6181.1,6181.1 1771.65,6181.1
USB_GND on Bottom Layer "USB_GND_L04_P051" (solid, pour order 51): 1775.59,2657.48 3019.68,2657.48 3019.68,1775.59 1775.59,1775.59

## Keep-outs
Top Layer:
  circle w39.37: c5944.88,2007.87 r94.49
  circle w39.37: c5944.88,5944.88 r94.49
  circle w39.37: c2007.87,5944.88 r94.49
  circle w39.37: c2007.87,2007.87 r94.49
Mid Layer 1:
  circle w39.37: c5944.88,5944.88 r94.49
Bottom Layer:
  circle w39.37: c5944.88,2007.87 r94.49
  circle w39.37: c5944.88,5944.88 r94.49
  circle w39.37: c2007.87,5944.88 r94.49
  circle w39.37: c2007.87,2007.87 r94.49
Keep-Out Layer:
  lines w10: 1968.5,6181.1 ccw(c1968.5,5984.25) 1771.65,5984.25 1771.65,1968.5 ccw(c1968.5,1968.5) 1968.5,1771.65 5980.31,1771.65 ; 1972.44,6181.1 5984.25,6181.1 cw(c5984.25,5984.25) 6181.1,5984.25 6181.1,1968.5 cw(c5984.25,1968.5) 5984.25,1771.65

## Silkscreen, mask and mechanical layers (free items; w line width, h text height)
Top Overlay:
  drawing of 104 lines, arcs and shapes, not listed
  text "SENSOR GROUP 1" at 2335.03,5811.82 h70.87
  text "SENSOR GROUP 2" at 3276.36,5811.82 h70.87
  text "SENSOR GROUP 3" at 4221,5811.82 h70.87
  text "SENSOR GROUP 4" at 5165.25,5811.82 h70.87
  text "SENSOR GROUP 5" at 5811.82,5740.03 h70.87 r270
  text "- 3V3 +" at 2385.86,5118.88 h70.87
  text "SENSOR GROUP 6" at 5811.82,4794.98 h70.87 r270
  text "5V INPUT" at 2082.71,4244.86 h70.87
  text "SENSOR GROUP 7" at 5811.82,3849.82 h70.87 r270
  text "RESET" at 4551.18,3693.57 h59.06
  text "RX" at 3366.14,3610.83 h39.37 r90
  text "DIO" at 2975.95,3604.67 h39.37 r90
  text "RST" at 3286.96,3600.45 h39.37 r90
  text "CLK" at 3058.63,3598.72 h39.37 r90
  text "TX" at 3366.14,3493.77 h39.37 r90
  text "3V3" at 2975.95,3485.99 h39.37 r90
  text "GND" at 3058.63,3480.33 h39.37 r90
  text "GND" at 3133.43,3480.33 h39.37 r90
  text "SENSOR GROUP 8" at 5811.82,2904.92 h70.87 r270
  text "fNIRS ECU" at 4444.88,2100.19 h157.48
  text "Capstone Team 2024991 | 2024 - 2025" at 4448.85,2001.52 h70.87
  text "Tony Kim, Ingrid Wu, Kevin Liu, Bella Huang" at 4444.88,1922.78 h70.87